# KiCad board UNI_i4.kicad_pcb
title: zensai65_UNI_i4; rev: v2; company: shoonie
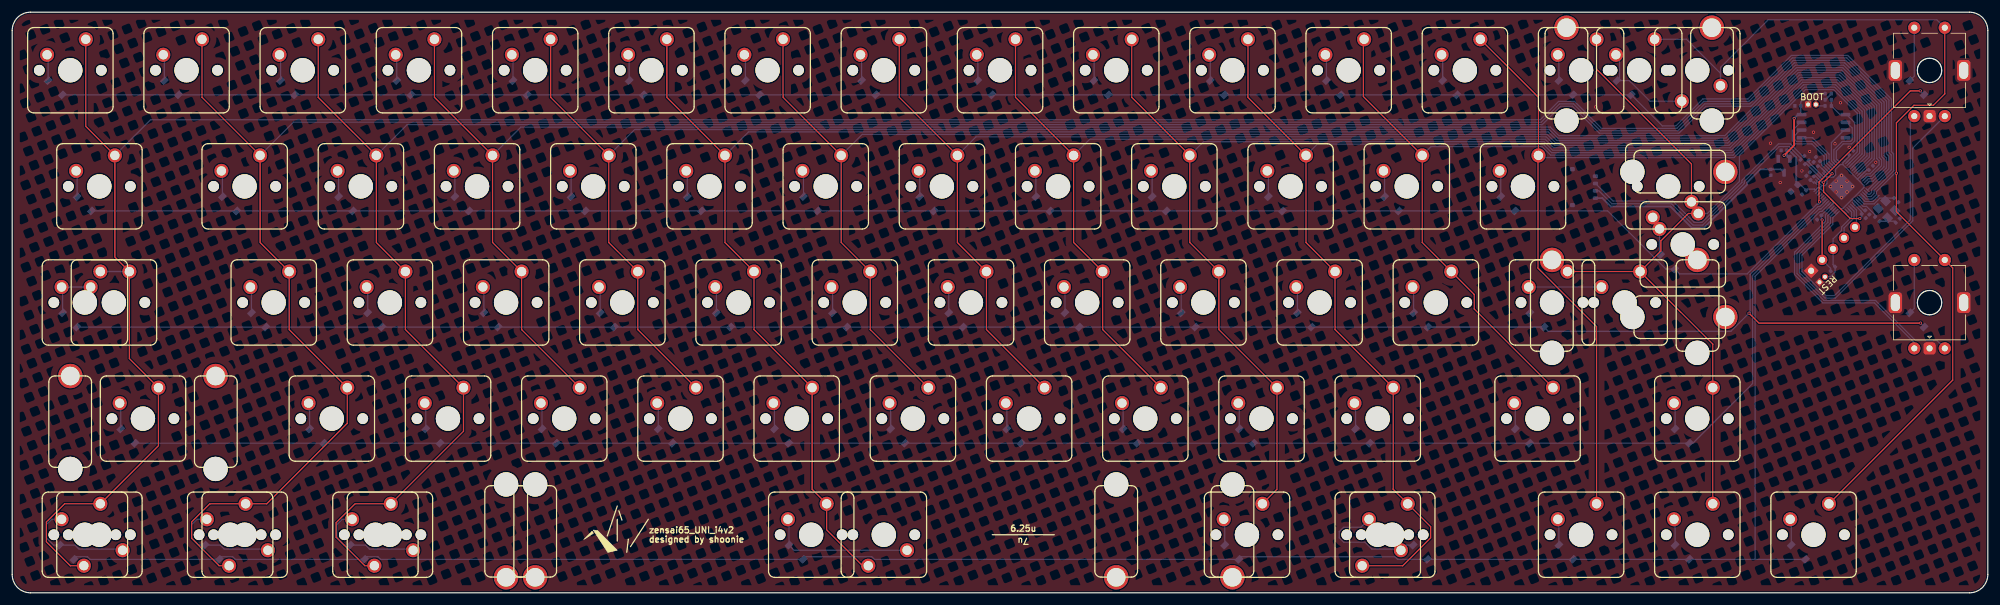
[diagram p0: board, top side]
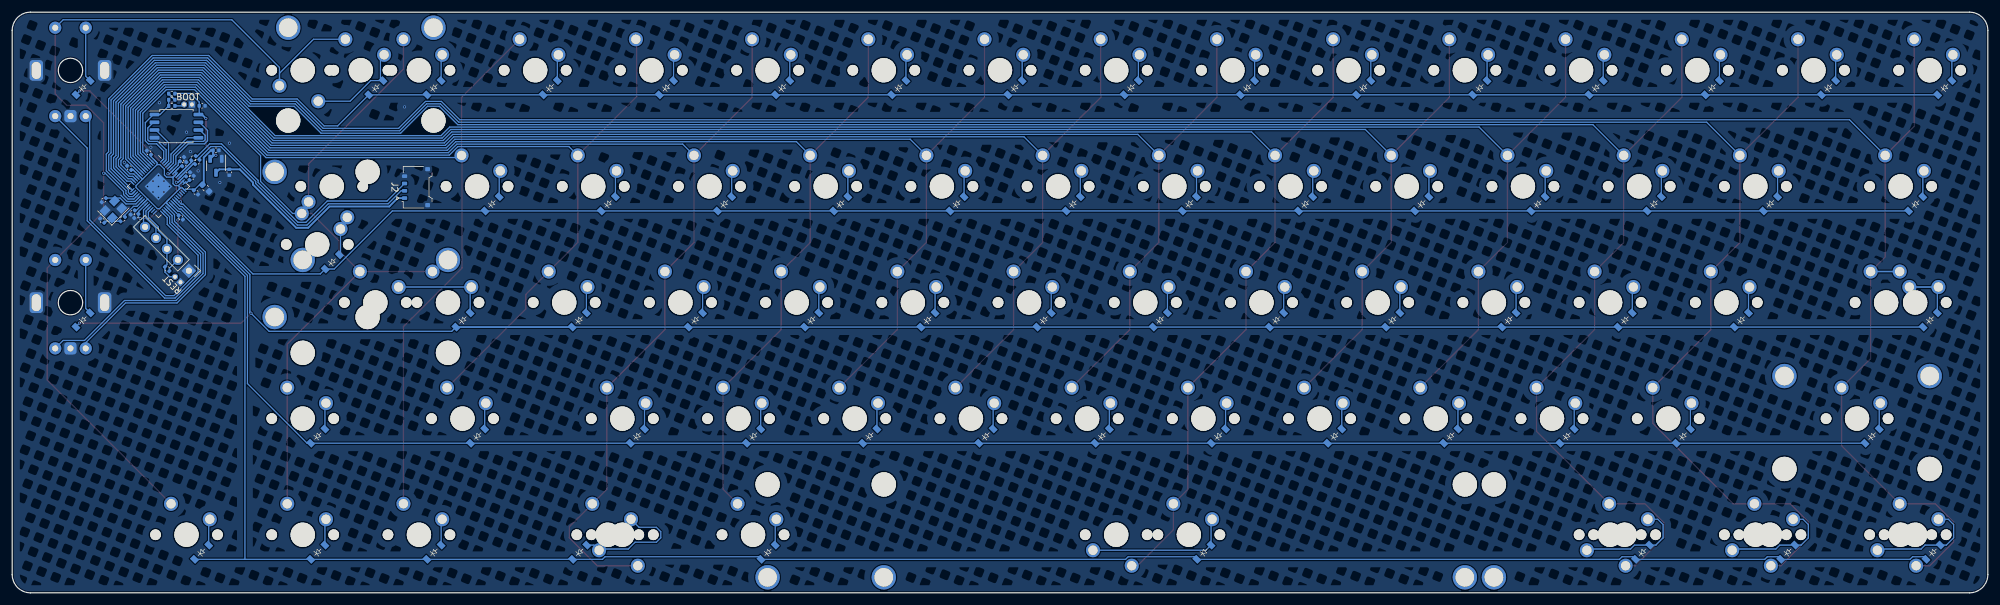
[diagram p1: board, bottom side, seen from below]

Outline 323.85 x 95.25 mm; copper layers: Top, Bottom. Coordinates in mm from the lower left corner of the outline.
Outline path: circle c314.3,85.7 r2 ; circle c314.3,47.6 r2 ; 0,92.25 0,3 arc(0.88,0.88) 3,0 320.85,0 arc(322.97,0.88) 323.85,3 323.85,92.25 arc(322.97,94.37) 320.85,95.25 3,95.25 arc(0.88,94.37) 0,92.25
Stack: Top 0.035mm / dielectric 1.51mm FR4 er 4.5 / Bottom 0.035mm

## Placement (name value [footprint] x y rotation side)
C1  1u  [C_0402_1005Metric]  288.26 68.99 270 bottom
C2  1u  [C_0402_1005Metric]  290.45 72.59 180 bottom
C3  10u  [C_0603_1608Metric]  292.13 66.4 225 bottom
C4  1u  [C_0402_1005Metric]  295.02 68.66 135 bottom
C5  100n  [C_0402_1005Metric]  296.01 71.15 135 bottom
C6  1u  [C_0402_1005Metric]  293.73 65.68 225 bottom
C7  100n  [C_0402_1005Metric]  294.44 68.07 135 bottom
C8  100n  [C_0402_1005Metric]  295.66 70.33 135 bottom
C9  100n  [C_0402_1005Metric]  296.21 61.57 225 bottom
C10  22p  [C_0402_1005Metric]  308.84 64.41 135 bottom
C11  22p  [C_0402_1005Metric]  309.09 61.06 225 bottom
C12  1u  [C_0402_1005Metric]  292.71 79.88 180 bottom
C13  100n  [C_0402_1005Metric]  303.51 61.81 315 bottom
C14  100n  [C_0402_1005Metric]  304.1 62.4 315 bottom
C15  100n  [C_0402_1005Metric]  301.45 72.21 45 bottom
C16  100n  [C_0402_1005Metric]  304.67 69.72 45 bottom
D1  D_Small  [D_SOD-123_CLEAN]  6.99 82.93 315 bottom
D2  D_Small  [D_SOD-123_CLEAN]  26.04 82.93 315 bottom
D3  D_Small  [D_SOD-123_CLEAN]  45.09 82.93 315 bottom
D4  D_Small  [D_SOD-123_CLEAN]  64.14 82.93 315 bottom
D5  D_Small  [D_SOD-123_CLEAN]  83.19 82.93 315 bottom
D6  D_Small  [D_SOD-123_CLEAN]  102.24 82.93 315 bottom
D7  D_Small  [D_SOD-123_CLEAN]  121.29 82.93 315 bottom
D8  D_Small  [D_SOD-123_CLEAN]  140.34 82.93 315 bottom
D9  D_Small  [D_SOD-123_CLEAN]  159.39 82.93 315 bottom
D10  D_Small  [D_SOD-123_CLEAN]  178.44 82.93 315 bottom
D11  D_Small  [D_SOD-123_CLEAN]  197.49 82.93 315 bottom
D12  D_Small  [D_SOD-123_CLEAN]  216.54 82.93 315 bottom
D13  D_Small  [D_SOD-123_CLEAN]  235.59 82.93 315 bottom
D14  D_Small  [D_SOD-123_CLEAN]  254.64 82.93 315 bottom
D15  D_Small  [D_SOD-123_CLEAN]  264.16 82.93 315 bottom
D17  D_Small  [D_SOD-123_CLEAN]  11.75 63.88 315 bottom
D18  D_Small  [D_SOD-123_CLEAN]  35.56 63.88 315 bottom
D19  D_Small  [D_SOD-123_CLEAN]  54.61 63.88 315 bottom
D20  D_Small  [D_SOD-123_CLEAN]  73.66 63.88 315 bottom
D21  D_Small  [D_SOD-123_CLEAN]  92.71 63.88 315 bottom
D22  D_Small  [D_SOD-123_CLEAN]  111.76 63.88 315 bottom
D23  D_Small  [D_SOD-123_CLEAN]  130.81 63.88 315 bottom
D24  D_Small  [D_SOD-123_CLEAN]  149.86 63.88 315 bottom
D25  D_Small  [D_SOD-123_CLEAN]  168.91 63.88 315 bottom
D26  D_Small  [D_SOD-123_CLEAN]  187.96 63.88 315 bottom
D27  D_Small  [D_SOD-123_CLEAN]  207.01 63.88 315 bottom
D28  D_Small  [D_SOD-123_CLEAN]  226.06 63.88 315 bottom
D29  D_Small  [D_SOD-123_CLEAN]  245.11 63.88 315 bottom
D31  D_Small  [D_SOD-123_CLEAN]  271.3 54.36 315 bottom
D32  D_Small  [D_SOD-123_CLEAN]  312.17 82.93 315 bottom
D33  D_Small  [D_SOD-123_CLEAN]  9.37 44.83 315 bottom
D35  D_Small  [D_SOD-123_CLEAN]  40.32 44.83 315 bottom
D36  D_Small  [D_SOD-123_CLEAN]  59.37 44.83 315 bottom
D37  D_Small  [D_SOD-123_CLEAN]  78.42 44.83 315 bottom
D38  D_Small  [D_SOD-123_CLEAN]  97.47 44.83 315 bottom
D39  D_Small  [D_SOD-123_CLEAN]  116.52 44.83 315 bottom
D40  D_Small  [D_SOD-123_CLEAN]  135.57 44.83 315 bottom
D41  D_Small  [D_SOD-123_CLEAN]  154.62 44.83 315 bottom
D42  D_Small  [D_SOD-123_CLEAN]  173.67 44.83 315 bottom
D43  D_Small  [D_SOD-123_CLEAN]  192.72 44.83 315 bottom
D44  D_Small  [D_SOD-123_CLEAN]  211.77 44.83 315 bottom
D45  D_Small  [D_SOD-123_CLEAN]  230.82 44.83 315 bottom
D46  D_Small  [D_SOD-123_CLEAN]  249.87 44.83 315 bottom
D48  D_Small  [D_SOD-123_CLEAN]  312.17 44.83 315 bottom
D49  D_Small  [D_SOD-123_CLEAN]  18.89 25.78 315 bottom
D50  D_Small  [D_SOD-123_CLEAN]  49.85 25.78 315 bottom
D51  D_Small  [D_SOD-123_CLEAN]  68.9 25.78 315 bottom
D52  D_Small  [D_SOD-123_CLEAN]  87.95 25.78 315 bottom
D53  D_Small  [D_SOD-123_CLEAN]  107 25.78 315 bottom
D54  D_Small  [D_SOD-123_CLEAN]  126.05 25.78 315 bottom
D55  D_Small  [D_SOD-123_CLEAN]  145.1 25.78 315 bottom
D56  D_Small  [D_SOD-123_CLEAN]  164.15 25.78 315 bottom
D57  D_Small  [D_SOD-123_CLEAN]  183.2 25.78 315 bottom
D58  D_Small  [D_SOD-123_CLEAN]  202.25 25.78 315 bottom
D59  D_Small  [D_SOD-123_CLEAN]  221.3 25.78 315 bottom
D60  D_Small  [D_SOD-123_CLEAN]  247.49 25.78 315 bottom
D61  D_Small  [D_SOD-123_CLEAN]  273.69 25.78 315 bottom
D62  D_Small  [D_SOD-123_CLEAN]  8.89 6.73 315 bottom
D64  D_Small  [D_SOD-123_CLEAN]  32.7 6.73 315 bottom
D66  D_Small  [D_SOD-123_CLEAN]  56.52 6.73 315 bottom
D68  D_Small  [D_SOD-123_CLEAN]  128.43 6.73 315 bottom
D70  D_Small  [D_SOD-123_CLEAN]  199.87 6.73 315 bottom
D72  D_Small  [D_SOD-123_CLEAN]  230.76 6.73 315 bottom
D73  D_Small  [D_SOD-123_CLEAN]  254.64 6.73 315 bottom
D74  D_Small  [D_SOD-123_CLEAN]  273.69 6.73 315 bottom
D75  D_Small  [D_SOD-123_CLEAN]  292.74 6.73 315 bottom
J2  Conn_01x04  [Molex_Pico-EZmate_78171-0004_1x04-1MP_P1.20mm_Vertical]  257.66 66.55 90 bottom
J3  Conn_01x05  [PinHeader_1x05_P2.54mm_Vertical]  294.89 52.83 315 bottom
R3  5.1k  [R_0402_1005Metric]  298.45 53.14 225 bottom
R4  27  [R_0402_1005Metric]  294.13 71.3 315 bottom
R5  27  [R_0402_1005Metric]  293.52 70.69 315 bottom
R6  1k  [R_0402_1005Metric]  305.74 61.32 135 bottom
R7  1k  [R_0402_1005Metric]  297.69 79.88 0 bottom
R8  5.1k  [R_0402_1005Metric]  297.69 80.88 180 bottom
R9  5.1k  [R_0402_1005Metric]  297.69 81.89 180 bottom
REF**  -  [info]  104.27 9.53 0 top
REF**#2  -  [bottom_row_guide]  165.74 9.53 0 top
S15  MX_stab  [STAB_MX_P_2u]  266.7 85.72 0 top
S31  MX_stab  [STAB_MX_P_2u]  273.84 57.15 270 top
S47  MX_stab  [STAB_MX_P_2u]  264.32 47.62 0 top
S49  MX_stab  [STAB_MX_P_2u]  21.43 28.58 0 top
S68  MX_stab  [STAB_MX_P_6.25u]  130.97 9.53 180 top
S69  MX_stab  [STAB_MX_P_7u]  142.88 9.53 180 top
SW1  MX_SW_solder  [SW_MX_1u]  9.53 85.72 0 top
SW2  MX_SW_solder  [SW_MX_1u]  28.58 85.72 0 top
SW3  MX_SW_solder  [SW_MX_1u]  47.63 85.72 0 top
SW4  MX_SW_solder  [SW_MX_1u]  66.68 85.72 0 top
SW5  MX_SW_solder  [SW_MX_1u]  85.73 85.72 0 top
SW6  MX_SW_solder  [SW_MX_1u]  104.78 85.72 0 top
SW7  MX_SW_solder  [SW_MX_1u]  123.83 85.72 0 top
SW8  MX_SW_solder  [SW_MX_1u]  142.88 85.72 0 top
SW9  MX_SW_solder  [SW_MX_1u]  161.93 85.72 0 top
SW10  MX_SW_solder  [SW_MX_1u]  180.98 85.72 0 top
SW11  MX_SW_solder  [SW_MX_1u]  200.03 85.72 0 top
SW12  MX_SW_solder  [SW_MX_1u]  219.08 85.72 0 top
SW13  MX_SW_solder  [SW_MX_1u]  238.13 85.72 0 top
SW14  MX_SW_solder  [SW_MX_1u]  257.18 85.72 0 top
SW15  MX_SW_solder  [SW_MX_1u]  266.7 85.72 0 top
SW16  MX_SW_solder  [SW_MX_1u]  276.23 85.72 180 top
SW17  MX_SW_solder  [SW_MX_1u]  14.29 66.67 0 top
SW18  MX_SW_solder  [SW_MX_1u]  38.1 66.67 0 top
SW19  MX_SW_solder  [SW_MX_1u]  57.15 66.67 0 top
SW20  MX_SW_solder  [SW_MX_1u]  76.2 66.67 0 top
SW21  MX_SW_solder  [SW_MX_1u]  95.25 66.67 0 top
SW22  MX_SW_solder  [SW_MX_1u]  114.3 66.67 0 top
SW23  MX_SW_solder  [SW_MX_1u]  133.35 66.67 0 top
SW24  MX_SW_solder  [SW_MX_1u]  152.4 66.67 0 top
SW25  MX_SW_solder  [SW_MX_1u]  171.45 66.67 0 top
SW26  MX_SW_solder  [SW_MX_1u]  190.5 66.67 0 top
SW27  MX_SW_solder  [SW_MX_1u]  209.55 66.67 0 top
SW28  MX_SW_solder  [SW_MX_1u]  228.6 66.67 0 top
SW29  MX_SW_solder  [SW_MX_1u]  247.65 66.67 0 top
SW30  MX_SW_solder  [SW_MX_1u]  271.46 66.67 180 top
SW31  MX_SW_solder  [SW_MX_1u]  273.84 57.15 0 top
SW32  RotaryEncoder_Switch  [ROT_Alps_EC11E-Switch]  314.3 85.7 0 top
SW33  MX_SW_solder  [SW_MX_1u]  11.91 47.62 0 top
SW34  MX_SW_solder  [SW_MX_1u]  16.67 47.62 0 top
SW35  MX_SW_solder  [SW_MX_1u]  42.86 47.62 0 top
SW36  MX_SW_solder  [SW_MX_1u]  61.91 47.62 0 top
SW37  MX_SW_solder  [SW_MX_1u]  80.96 47.62 0 top
SW38  MX_SW_solder  [SW_MX_1u]  100.01 47.62 0 top
SW39  MX_SW_solder  [SW_MX_1u]  119.06 47.62 0 top
SW40  MX_SW_solder  [SW_MX_1u]  138.11 47.62 0 top
SW41  MX_SW_solder  [SW_MX_1u]  157.16 47.62 0 top
SW42  MX_SW_solder  [SW_MX_1u]  176.21 47.62 0 top
SW43  MX_SW_solder  [SW_MX_1u]  195.26 47.62 0 top
SW44  MX_SW_solder  [SW_MX_1u]  214.31 47.62 0 top
SW45  MX_SW_solder  [SW_MX_1u]  233.36 47.62 0 top
SW46  MX_SW_solder  [SW_MX_1u]  252.41 47.62 0 top
SW47  MX_SW_solder  [SW_MX_1u]  264.32 47.62 0 top
SW48  RotaryEncoder_Switch  [ROT_Alps_EC11E-Switch]  314.3 47.6 0 top
SW49  MX_SW_solder  [SW_MX_1u]  21.43 28.58 0 top
SW50  MX_SW_solder  [SW_MX_1u]  52.39 28.58 0 top
SW51  MX_SW_solder  [SW_MX_1u]  71.44 28.58 0 top
SW52  MX_SW_solder  [SW_MX_1u]  90.49 28.58 0 top
SW53  MX_SW_solder  [SW_MX_1u]  109.54 28.58 0 top
SW54  MX_SW_solder  [SW_MX_1u]  128.59 28.58 0 top
SW55  MX_SW_solder  [SW_MX_1u]  147.64 28.58 0 top
SW56  MX_SW_solder  [SW_MX_1u]  166.69 28.58 0 top
SW57  MX_SW_solder  [SW_MX_1u]  185.74 28.58 0 top
SW58  MX_SW_solder  [SW_MX_1u]  204.79 28.58 0 top
SW59  MX_SW_solder  [SW_MX_1u]  223.84 28.58 0 top
SW60  MX_SW_solder  [SW_MX_1u]  250.03 28.58 0 top
SW61  MX_SW_solder  [SW_MX_1u]  276.23 28.58 0 top
SW62  MX_SW_solder  [SW_MX_1u]  11.91 9.53 0 top
SW63  MX_SW_solder  [SW_MX_1u]  14.29 9.53 180 top
SW64  MX_SW_solder  [SW_MX_1u]  35.72 9.53 0 top
SW65  MX_SW_solder  [SW_MX_1u]  38.1 9.53 180 top
SW66  MX_SW_solder  [SW_MX_1u]  59.53 9.53 0 top
SW67  MX_SW_solder  [SW_MX_1u]  61.91 9.53 180 top
SW68  MX_SW_solder  [SW_MX_1u]  130.97 9.53 0 top
SW69  MX_SW_solder  [SW_MX_1u]  142.88 9.53 180 top
SW70  MX_SW_solder  [SW_MX_1u]  202.41 9.53 0 top
SW71  MX_SW_solder  [SW_MX_1u]  223.84 9.53 180 top
SW72  MX_SW_solder  [SW_MX_1u]  226.22 9.53 0 top
SW73  MX_SW_solder  [SW_MX_1u]  257.18 9.53 0 top
SW74  MX_SW_solder  [SW_MX_1u]  276.23 9.53 0 top
SW75  MX_SW_solder  [SW_MX_1u]  295.28 9.53 0 top
SW76  SW_RESET  [PinHeader_1x02_P1.27mm_Vertical]  296.26 50.95 315 bottom
SW77  SW_BOOTSEL  [PinHeader_1x02_P1.27mm_Vertical]  294.4 80.11 270 bottom
U1  RP2040  [QFN-56-1EP_7x7mm_P0.4mm_EP3.2x3.2mm]  299.87 66.65 225 bottom
U2  XC6206PxxxMR  [SOT-23-3]  290.45 70.05 270 bottom
U4  W25Q128JVS  [SOIC-8_5.23x5.23mm_P1.27mm]  296.93 76.56 180 bottom
Y1  Crystal_GND24  [Crystal_SMD_3225-4Pin_3.2x2.5mm]  307.26 62.89 135 bottom

## Library data of the parts
C1-C16 = -: Description: Unpolarized capacitor, small symbol
D1-D15 D17-D29 D31-D33 D35-D46 D48-D62 D64 D66 D68 D70 D72-D75 = -: Description: Diode, small symbol; Sim.Device: D; Sim.Pins: 1=K 2=A
J2 = -: Description: Generic connector, single row, 01x04, script generated (kicad-library-utils/schlib/autogen/connector/)
J3 = -: Description: Generic connector, single row, 01x05, script generated (kicad-library-utils/schlib/autogen/connector/)
R3-R9 = -: Description: Resistor, small symbol
S15 S31 S47 S49 S68 S69 = -: Description: Cherry MX-style stabilizer
SW1-SW31 SW33-SW47 SW49-SW75 = -: Description: Push button switch, normally open, two pins, 45° tilted
SW32 SW48 = -: Description: Rotary encoder, dual channel, incremental quadrate outputs, with switch
SW76 SW77 = -: Description: Push button switch, generic, two pins
U1 = -: Description: A microcontroller by Raspberry Pi
U2 = -: Description: Positive 60-250mA Low Dropout Regulator, Fixed Output, SOT-23
U4 = -: Description: 128Mb Serial Flash Memory, Standard/Dual/Quad SPI, SOIC-8
Y1 = -: Description: Four pin crystal, GND on pins 2 and 4

## Footprints (pads in the part's own frame, mm; a bottom-side part is the same pattern mirrored in y, then rotated)
C_0402_1005Metric
  rrect 0.56x0.62 smd: 1(-0.48,0) 2(0.48,0)
C_0603_1608Metric
  rrect 0.9x0.95 smd: 1(-0.775,0) 2(0.775,0)
Crystal_SMD_3225-4Pin_3.2x2.5mm
  rect 1.4x1.2 smd: 1(-1.1,-0.85) 2(1.1,-0.85) 3(1.1,0.85) 4(-1.1,0.85)
D_SOD-123_CLEAN
  rect 0.9x1.2 smd: 1(1.75,0) 2(-1.55,0)
Molex_Pico-EZmate_78171-0004_1x04-1MP_P1.20mm_Vertical
  rrect 0.6x0.85 smd: 1(-1.8,1.875) 2(-0.6,1.875) 3(0.6,1.875) 4(1.8,1.875)
  rrect 0.7x0.8 smd: 4(-2.95,-1.9) 4(2.95,-1.9)
PinHeader_1x02_P1.27mm_Vertical
  rect 1x1 hole 0.65: 1(0,0)
  oval 1x1 hole 0.65: 2(0,-1.27)
PinHeader_1x05_P2.54mm_Vertical
  rect 1.7x1.7 hole 1: 1(0,0)
  oval 1.7x1.7 hole 1: 2(0,-2.54) 3(0,-5.08) 4(0,-7.62) 5(0,-10.16)
QFN-56-1EP_7x7mm_P0.4mm_EP3.2x3.2mm
  rrect 1.29x1.29 smd: (-0.8,-0.8) (-0.8,0.8) (0.8,-0.8) (0.8,0.8)
  rrect 0.875x0.2 smd: 1(-3.438,2.6) 2(-3.438,2.2) 3(-3.438,1.8) 4(-3.438,1.4) 5(-3.438,1) 6(-3.438,0.6) 7(-3.438,0.2) 8(-3.438,-0.2) 9(-3.438,-0.6) 10(-3.438,-1) 11(-3.438,-1.4) 12(-3.438,-1.8) 13(-3.438,-2.2) 14(-3.438,-2.6) 29(3.438,-2.6) 30(3.438,-2.2) 31(3.438,-1.8) 32(3.438,-1.4) 33(3.438,-1) 34(3.438,-0.6) 35(3.438,-0.2) 36(3.438,0.2) 37(3.438,0.6) 38(3.438,1) 39(3.438,1.4) 40(3.438,1.8) 41(3.438,2.2) 42(3.438,2.6)
  rrect 0.2x0.875 smd: 15(-2.6,-3.438) 16(-2.2,-3.438) 17(-1.8,-3.438) 18(-1.4,-3.438) 19(-1,-3.438) 20(-0.6,-3.438) 21(-0.2,-3.438) 22(0.2,-3.438) 23(0.6,-3.438) 24(1,-3.438) 25(1.4,-3.438) 26(1.8,-3.438) 27(2.2,-3.438) 28(2.6,-3.438) 43(2.6,3.438) 44(2.2,3.438) 45(1.8,3.438) 46(1.4,3.438) 47(1,3.438) 48(0.6,3.438) 49(0.2,3.438) 50(-0.2,3.438) 51(-0.6,3.438) 52(-1,3.438) 53(-1.4,3.438) 54(-1.8,3.438) 55(-2.2,3.438) 56(-2.6,3.438)
  rect 3.2x3.2 smd: 57(0,0)
R_0402_1005Metric
  rrect 0.54x0.64 smd: 1(-0.51,0) 2(0.51,0)
ROT_Alps_EC11E-Switch
  round 2 hole 1: A(-2.5,-7.5) B(2.5,-7.5) S1(2.5,7) S2(-2.5,7)
  rrect 2x2 hole 1: C(0,-7.5)
  rrect 2.2x3.4 hole 1.5x2.8: MP(-5.6,0) MP(5.6,0)
SOIC-8_5.23x5.23mm_P1.27mm
  rrect 1.6x0.6 smd: 1(-3.6,1.905) 2(-3.6,0.635) 3(-3.6,-0.635) 4(-3.6,-1.905) 5(3.6,-1.905) 6(3.6,-0.635) 7(3.6,0.635) 8(3.6,1.905)
SOT-23-3
  rrect 1.325x0.6 smd: 1(-1.137,0.95) 2(-1.137,-0.95) 3(1.137,0)
STAB_MX_P_2u
  round 4 hole 3.048: (-11.906,6.985) (11.906,6.985)
  round 3.988 hole 3.988 unplated: (-11.906,-8.255) (11.906,-8.255)
STAB_MX_P_6.25u
  round 4 hole 3.048: (-50.006,6.985) (50.006,6.985)
  round 3.988 hole 3.988 unplated: (-50.006,-8.255) (50.006,-8.255)
STAB_MX_P_7u
  round 4 hole 3.048: (-57.15,6.985) (57.15,6.985)
  round 3.988 hole 3.988 unplated: (-57.15,-8.255) (57.15,-8.255)
SW_MX_1u
  round 1.75 hole 1.75 unplated: (-5.08,0) (5.08,0)
  round 3.988 hole 3.988 unplated: (0,0)
  round 2.3 hole 1.524: 1(-3.81,2.54) 2(2.54,5.08)

## Nets
+1V1: C4.1 C5.1 C13.1 U1.23 U1.45 U1.50
+3V3: C2.1 C3.1 C6.1 C7.1 C8.1 C9.1 C12.1 C14.1 C15.1 C16.1 J3.2 R3.2 R9.2 U1.1 U1.10 U1.22 U1.33 U1.42 U1.43 U1.44 U1.48 U1.49 U2.2 U4.8
+5V: C1.1 J2.1 U2.3
GND: C1.2 C2.2 C3.2 C4.2 C5.2 C6.2 C7.2 C8.2 C9.2 C10.1 C11.1 C12.2 C13.2 C14.2 C15.2 C16.2 J2.4 J3.1 SW32.C SW32.MP SW48.C SW48.MP SW76.1 SW77.1 U1.19 U1.57 U2.1 U4.4 Y1.2 Y1.4
COL0: SW1.2 SW17.2 SW33.2 SW34.2 SW49.2 SW62.2 SW63.2 U1.16
COL1: SW2.2 SW18.2 SW35.2 SW50.2 SW64.2 SW65.2 U1.15
COL2: SW3.2 SW19.2 SW36.2 SW51.2 SW66.2 SW67.2 U1.14
COL3: SW4.2 SW20.2 SW37.2 SW52.2 U1.13
COL4: SW5.2 SW21.2 SW38.2 SW53.2 U1.12
COL5: SW6.2 SW22.2 SW39.2 SW54.2 SW68.2 SW69.2 U1.11
COL6: SW7.2 SW23.2 SW40.2 SW55.2 U1.9
COL7: SW8.2 SW24.2 SW41.2 SW56.2 U1.8
COL8: SW9.2 SW25.2 SW42.2 SW57.2 U1.7
COL9: SW10.2 SW26.2 SW43.2 SW58.2 SW70.2 U1.6
COL10: SW11.2 SW27.2 SW44.2 SW59.2 SW71.2 SW72.2 U1.5
COL11: SW12.2 SW28.2 SW45.2 SW60.2 U1.4
COL12: SW13.2 SW29.2 SW73.2 U1.3
COL13: SW14.2 SW30.1 SW31.2 SW46.2 SW47.2 SW61.2 SW74.2 U1.2
COL14: SW15.2 SW16.1 SW32.S1 SW48.S1 SW75.2 U1.18
D+: J2.3 R4.1
D-: J2.2 R5.1
QSPI_SCLK: U1.52 U4.6
QSPI_SD0: U1.53 U4.5
QSPI_SD1: U1.55 U4.2
QSPI_SD2: U1.54 U4.3
QSPI_SD3: U1.51 U4.7
QSPI_SS: R7.2 R8.1 U1.56 U4.1
RESET: J3.3 R3.1 SW76.2 U1.26
ROW0: D1.1 D2.1 D3.1 D4.1 D5.1 D6.1 D7.1 D8.1 D9.1 D10.1 D11.1 D12.1 D13.1 D14.1 D15.1 U1.17
ROW1: D17.1 D18.1 D19.1 D20.1 D21.1 D22.1 D23.1 D24.1 D25.1 D26.1 D27.1 D28.1 D29.1 D31.1 D32.1 U1.37
ROW2: D33.1 D35.1 D36.1 D37.1 D38.1 D39.1 D40.1 D41.1 D42.1 D43.1 D44.1 D45.1 D46.1 D48.1 U1.36
ROW3: D49.1 D50.1 D51.1 D52.1 D53.1 D54.1 D55.1 D56.1 D57.1 D58.1 D59.1 D60.1 D61.1 U1.35
ROW4: D62.1 D64.1 D66.1 D68.1 D70.1 D72.1 D73.1 D74.1 D75.1 U1.34
SW32A: SW32.A U1.29
SW32B: SW32.B U1.30
SW48A: SW48.A U1.32
SW48B: SW48.B U1.31
SWCLK: J3.5 U1.24
SWD: J3.4 U1.25
XIN: C10.2 U1.20 Y1.3
XOUT: R6.2 U1.21
Net-(C11-Pad2): C11.2 R6.1 Y1.1
Net-(D1-A): D1.2 SW1.1
Net-(D2-A): D2.2 SW2.1
Net-(D3-A): D3.2 SW3.1
Net-(D4-A): D4.2 SW4.1
Net-(D5-A): D5.2 SW5.1
Net-(D6-A): D6.2 SW6.1
Net-(D7-A): D7.2 SW7.1
Net-(D8-A): D8.2 SW8.1
Net-(D9-A): D9.2 SW9.1
Net-(D10-A): D10.2 SW10.1
Net-(D11-A): D11.2 SW11.1
Net-(D12-A): D12.2 SW12.1
Net-(D13-A): D13.2 SW13.1
Net-(D14-A): D14.2 SW14.1
Net-(D15-A): D15.2 SW15.1 SW16.2
Net-(D17-A): D17.2 SW17.1
Net-(D18-A): D18.2 SW18.1
Net-(D19-A): D19.2 SW19.1
Net-(D20-A): D20.2 SW20.1
Net-(D21-A): D21.2 SW21.1
Net-(D22-A): D22.2 SW22.1
Net-(D23-A): D23.2 SW23.1
Net-(D24-A): D24.2 SW24.1
Net-(D25-A): D25.2 SW25.1
Net-(D26-A): D26.2 SW26.1
Net-(D27-A): D27.2 SW27.1
Net-(D28-A): D28.2 SW28.1
Net-(D29-A): D29.2 SW29.1
Net-(D30-A): D31.2 SW30.2 SW31.1
Net-(D32-A): D32.2 SW32.S2
Net-(D33-A): D33.2 SW33.1 SW34.1
Net-(D35-A): D35.2 SW35.1
Net-(D36-A): D36.2 SW36.1
Net-(D37-A): D37.2 SW37.1
Net-(D38-A): D38.2 SW38.1
Net-(D39-A): D39.2 SW39.1
Net-(D40-A): D40.2 SW40.1
Net-(D41-A): D41.2 SW41.1
Net-(D42-A): D42.2 SW42.1
Net-(D43-A): D43.2 SW43.1
Net-(D44-A): D44.2 SW44.1
Net-(D45-A): D45.2 SW45.1
Net-(D46-A): D46.2 SW46.1 SW47.1
Net-(D48-A): D48.2 SW48.S2
Net-(D49-A): D49.2 SW49.1
Net-(D50-A): D50.2 SW50.1
Net-(D51-A): D51.2 SW51.1
Net-(D52-A): D52.2 SW52.1
Net-(D53-A): D53.2 SW53.1
Net-(D54-A): D54.2 SW54.1
Net-(D55-A): D55.2 SW55.1
Net-(D56-A): D56.2 SW56.1
Net-(D57-A): D57.2 SW57.1
Net-(D58-A): D58.2 SW58.1
Net-(D59-A): D59.2 SW59.1
Net-(D60-A): D60.2 SW60.1
Net-(D61-A): D61.2 SW61.1
Net-(D62-A): D62.2 SW62.1 SW63.1
Net-(D64-A): D64.2 SW64.1 SW65.1
Net-(D66-A): D66.2 SW66.1 SW67.1
Net-(D68-A): D68.2 SW68.1 SW69.1
Net-(D70-A): D70.2 SW70.1
Net-(D71-A): D72.2 SW71.1 SW72.1
Net-(D73-A): D73.2 SW73.1
Net-(D74-A): D74.2 SW74.1
Net-(D75-A): D75.2 SW75.1
Net-(R7-Pad1): R7.1 SW77.2
Net-(R8-Pad2): R8.2 R9.1
Net-(U1-USB_DM): R5.2 U1.46
Net-(U1-USB_DP): R4.2 U1.47

Pads without a net: U1 27 28 38 39 40 41

## Via types
v1: diameter 0.5, hole 0.3, Top to Bottom, 30 vias

## Routing (per net, layer and track width the routed paths; a pad name or vN(x,y) marks a point on that pad's centre or on a via; arc(x,y) is an arc through that point)
+1V1: length 19.3
  Top w0.2: v1(302.87,61.4) 301.31,61.4 296.94,65.78 v1(296.94,67.35) 296.94,67.36 v1(298.33,68.75)
  Bottom w0.2: v1(302.87,61.4) 303.17,61.7 C13.1 ; v1(296.94,67.35) 296.63,67.35 U1.45 295.66,68.32 C4.1 ; U1.23 303.1,62.57 303.1,62.23 ; v1(298.33,68.75) 298.06,68.75 U1.50 296.62,70.18 296.62,70.54 C5.1
+3V3: length 78.3
  Top w0.2: J3.2 296.69,61.16 v1(296.69,61.17)
  Top w0.3: v1(290.46,71.77) 292.11,73.42 v1(292.11,77.83)
  Bottom w0.2: R3.2 298.09,53.22 J3.2 ; 301.65,64.61 303.56,66.51 303.56,66.78 302.48,67.86 ; 301.65,64.61 300.06,63.02 299.69,63.02 298.18,64.52 ; 301.65,64.61 301.65,64.59 U1.22 303.5,62.74 C14.1 ; 302.48,67.86 300.09,70.25 ; 302.48,67.86 302.5,67.86 U1.10 303.44,68.8 ; 300.09,70.25 300.09,70.54 U1.1 301.11,71.56 C15.1 ; 300.09,70.25 299.66,70.25 298.9,69.5 298.9,68.55 298.55,68.2 297.48,68.2 U1.48 ; 298.53,63.89 298.53,64.18 298.18,64.52 ; 298.53,63.89 U1.33 ; 298.53,63.89 U1.33 ; 296.55,61.92 U1.33 ; U1.48 297.02,69.22 296.66,69.58 ; U1.48 297.49,68.19 297.49,67.12 297.16,66.8 296.61,66.8 296.61,66.8 ; C16.1 304.02,69.38 303.44,68.8 ; C3.1 293.15,66.94 C6.1 294.27,66.23 295.44,66.23 U1.42 295.98,66.43 296.27,66.43 296.48,66.23 ; 298.18,64.52 296.48,66.23 ; C9.1 296.55,61.3 v1(296.69,61.17) ; 296.61,66.8 296.48,66.67 296.48,66.23 ; 296.61,66.8 U1.44 U1.43 295.27,67.24 C7.1 ; 303.44,68.8 304,69.36 304.31,69.36 ; 296.66,69.58 U1.49 ; 296.66,69.58 296.25,69.99 ; 293.19,78.6 C12.1 293.19,80.5 294.61,81.93 297.28,81.93
  Bottom w0.3: v1(292.11,77.83) 292.74,78.46 ; 292.45,67.17 292.45,71.42 291.27,72.59 290.93,72.59 290.93,71.66 U2.2 290.82,71.77 v1(290.46,71.77)
+5V: length 37.3
  Bottom w0.3: U2.3 289.9,69.47 C1.1 286.55,69.47 284.39,67.31 284.39,66.97 277.3,59.88 275.33,59.88 271.84,63.37 262.04,63.37 260.66,64.75 J2.1
GND: length 3.7
  Bottom w0.2: U1.19 303.74,64.2 305.02,64.2 306.01,65.18 306,65.19
  vias: v1(259.54,79.71) v1(288.24,73.76) v1(289.81,67.31) v1(293.37,69.22) v1(294.64,72.39) v1(295.28,75.56) v1(298.08,66.65) v1(298.81,73.66) v1(298.97,67.55) v1(298.97,65.75) v1(299.72,80.39) v1(299.87,68.45) v1(299.87,66.65) v1(299.87,64.85) v1(300.77,67.55) v1(300.77,65.75) v1(301.12,73.1) v1(301.67,66.65) v1(305.48,70.63)
COL0: length 432.8
  Top w0.2: 12.07,90.81 12.07,76.52 16.83,71.75 16.83,55.09 SW34.2 19.21,38.42 SW49.2 23.97,24.13 SW62.2 8.59,14.61 5.6,11.62 5.6,8.37 9.53,4.44 SW63.2
  Bottom w0.2: 16.83,71.75 22.68,77.61 250.48,77.61 253.49,80.61 256.1,80.61 260.51,76.2 272.88,76.2 277.3,80.61 284.67,80.61 291.81,87.75 300.73,87.75 307.65,80.84 307.65,72.19 308.03,71.8 308.03,69.39 304.8,66.16 304.8,65.67 304.53,65.4 304.24,65.4 U1.16
  Bottom w0.25: SW33.2 SW34.2
COL1: length 411.5
  Top w0.2: SW2.2 31.12,81.28 40.64,71.75 40.64,57.47 SW35.2 45.4,43.18 SW50.2 54.93,27.8 41.73,14.61 SW64.2 32.4,14.61 29.41,11.62 29.41,8.94 33.91,4.44 SW65.2
  Bottom w0.2: U1.15 304.14,66.07 307.63,69.55 307.63,71.62 307.25,72.01 307.25,80.67 300.57,87.35 291.98,87.35 284.84,80.21 277.46,80.21 273.05,75.8 260.34,75.8 255.93,80.21 253.66,80.21 250.65,77.2 46.09,77.2 40.64,71.75
COL2: length 386.7
  Top w0.2: SW67.2 57.8,4.44 53.09,9.16 53.09,11.48 56.21,14.61 SW66.2 73.98,26.51 SW51.2 64.45,43.18 SW36.2 59.69,57.47 59.69,71.75 50.17,81.28 SW3.2
  Bottom w0.2: 59.69,71.75 64.74,76.81 250.81,76.81 253.82,79.81 255.76,79.81 260.18,75.4 273.22,75.4 277.63,79.81 285.01,79.81 292.14,86.95 300.39,86.95 306.85,80.49 306.85,71.74 307.23,71.35 307.23,69.72 305.03,67.52 304.42,67.52 U1.14
COL3: length 319.1
  Top w0.2: SW52.2 83.5,43.18 SW37.2 78.74,57.47 78.74,71.75 69.22,81.28 SW4.2
  Bottom w0.2: 78.74,71.75 83.39,76.41 252.13,76.41 253.54,75 280.76,75 292.31,86.55 300.22,86.55 306.45,80.33 306.45,71.57 306.83,71.19 306.83,69.89 304.87,67.92 304.26,67.92 U1.13
COL4: length 298.9
  Top w0.2: SW53.2 102.55,43.18 SW38.2 97.79,57.47 97.79,71.75 88.27,81.28 SW5.2
  Bottom w0.2: U1.12 304.09,68.32 304.7,68.32 306.43,70.05 306.43,71.02 306.05,71.41 306.05,80.16 300.06,86.15 292.47,86.15 280.92,74.6 253.37,74.6 251.97,76 102.04,76 97.79,71.75
COL5: length 311.4
  Top w0.2: SW6.2 107.32,81.28 116.84,71.75 116.84,57.47 SW39.2 121.6,43.18 SW54.2 131.13,16.99 SW68.2 133.51,10.33 139.4,4.44
  Bottom w0.2: U1.11 303.93,68.72 304.54,68.72 306.03,70.22 306.03,70.86 305.65,71.24 305.65,79.99 299.89,85.75 292.64,85.75 281.09,74.2 253.21,74.2 251.8,75.61 120.69,75.61 116.84,71.75
COL6: length 257.7
  Top w0.2: SW55.2 140.65,43.18 SW40.2 135.89,57.47 135.89,71.75 126.37,81.28 126.37,90.81
  Bottom w0.2: 135.89,71.75 139.34,75.2 251.62,75.2 253.02,73.8 281.25,73.8 292.8,85.35 299.72,85.35 305.25,79.83 305.25,71.17 U1.9
COL7: length 237.5
  Top w0.2: SW56.2 159.7,43.18 SW41.2 154.94,57.47 154.94,71.75 145.42,81.28 SW8.2
  Bottom w0.2: 154.94,71.75 157.99,74.81 251.45,74.81 252.86,73.4 281.42,73.4 292.97,84.95 299.56,84.95 304.85,79.66 304.85,71.34 U1.8
COL8: length 217.2
  Top w0.2: SW9.2 164.47,81.28 173.99,71.75 173.99,57.47 SW42.2 178.75,43.18 SW57.2
  Bottom w0.2: U1.7 304.45,71.51 304.45,79.5 299.39,84.55 293.14,84.55 281.59,73 252.69,73 251.29,74.41 176.64,74.41 173.99,71.75
COL9: length 217.1
  Top w0.2: SW70.2 207.33,16.99 SW58.2 197.8,43.18 SW43.2 193.04,57.47 193.04,71.75 183.52,81.28 SW10.2
  Bottom w0.2: 193.04,71.75 195.29,74 251.12,74 252.53,72.6 281.75,72.6 293.3,84.15 299.23,84.15 304.05,79.33 304.05,71.67 U1.6
COL10: length 217.1
  Top w0.2: SW11.2 202.57,81.28 212.09,71.75 212.09,57.47 SW44.2 216.85,43.18 SW59.2 226.38,16.99 SW72.2 232.52,10.84 232.52,9.02 227.95,4.44 SW71.2
  Bottom w0.2: U1.5 303.65,71.84 303.65,79.17 299.06,83.75 293.47,83.75 281.92,72.2 252.36,72.2 250.96,73.61 213.94,73.61 212.09,71.75
COL11: length 159.5
  Top w0.2: SW60.2 239.67,46.56 239.67,48.94 SW45.2 231.14,57.47 231.14,71.75 221.49,81.41 221.49,90.68
  Bottom w0.2: U1.4 303.25,72 303.25,79 298.9,83.35 293.63,83.35 282.08,71.8 252.2,71.8 250.79,73.2 232.59,73.2 231.14,71.75
COL12: length 152.1
  Top w0.2: 250.19,71.75 250.19,81.28 SW13.2 ; 259.72,14.61 259.72,43.67 250.11,53.27 250.11,71.68
  Bottom w0.2: 250.54,71.4 282.25,71.4 293.8,82.95 298.73,82.95 302.85,78.83 302.85,72.17 U1.3
COL13: length 150.5
  Top w0.2: SW47.2 270.26,56.1 270.26,57.73 274.76,62.23 SW31.2 ; SW47.2 278.77,40.8 278.77,14.61 ; SW47.2 SW46.2 ; 259.72,90.81 259.72,85.9 275.27,70.34 SW30.1
  Bottom w0.2: 275.27,63.34 SW31.2 ; U1.2 302.45,72.33 302.45,78.67 298.56,82.55 293.96,82.55 283.14,71.72 283.14,67.49 277.88,62.23 277.26,62.23
COL14: length 162
  Top w0.2: SW75.2 318.1,34.89 318.1,53.3 SW48.S1 308.86,62.54 308.86,77.1 311.75,79.98 314.93,79.98 316.8,81.85 SW32.S1
  Bottom w0.2: v1(308.86,68.83) 308.61,68.83 305.6,65.83 305.6,65.34 304.86,64.6 303.9,64.6 U1.18 ; SW15.2 274.46,90.81 280.04,85.23 280.04,83.19 280.04,86.19 287.85,94 315.5,94 SW32.S1
D+: length 43.2
  Bottom w0.2: R4.1 293.48,71.66 291.49,73.65 289.53,73.65 283.54,67.66 283.54,67.32 277,60.78 275.71,60.78 272.21,64.27 262.41,64.27 J2.3
D-: length 42.5
  Bottom w0.2: J2.2 260.1,65.95 262.22,63.82 272.03,63.82 275.52,60.33 277.11,60.33 283.94,67.15 283.94,67.49 289.65,73.2 290.29,73.2 290.29,73.2 291.3,73.2 293.16,71.34 R5.1
QSPI_SCLK: length 10.5
  Bottom w0.2: U1.52 297.42,70.52 297.42,71.8 295.17,74.05 292.49,74.05 292.23,74.31 292.23,75.06 293.09,75.92
QSPI_SD0: length 7.8
  Bottom w0.2: U1.53 297.82,70.68 297.82,71.97 295.14,74.65 U4.5
QSPI_SD1: length 9.1
  Bottom w0.2: U1.55 298.62,71.01 298.62,72.66 300.01,74.05 301.36,74.05 301.63,74.31 301.63,76.26 300.69,77.19
QSPI_SD2: length 6.7
  Bottom w0.2: 300.36,75.92 300.29,75.92 298.22,73.85 298.22,70.85 U1.54
QSPI_SD3: length 12.3
  Bottom w0.2: 293.16,77.19 291.83,75.86 291.83,74.15 292.32,73.65 295,73.65 297.02,71.63 297.02,70.35 U1.51
QSPI_SS: length 14.2
  Bottom w0.2: U4.1 299.62,78.46 R7.2 R8.1 ; 300.69,78.46 302.03,77.13 302.03,74.15 301.53,73.65 300.17,73.65 299.02,72.5 299.02,71.18 U1.56
RESET: length 13.9
  Bottom w0.2: U1.26 301.52,62.45 301.52,61.65 299.89,60.02 299.89,59.45 298.49,58.05 298.49,56.43 ; J3.3 298.48,53.83 R3.1 298.81,52.62 298.04,51.85 SW76.2
ROW0: length 328.7
  Bottom w0.2: U1.17 304.07,65 304.69,65 305.2,65.51 305.2,65.99 308.43,69.22 308.43,71.97 308.05,72.35 308.05,81 300.9,88.15 291.64,88.15 284.51,81.01 277.13,81.01 272.72,76.6 270.49,76.6 D15.1 D14.1 D13.1 D12.1 D11.1 D10.1 D9.1 D8.1 D7.1 D6.1 D5.1 D4.1 D3.1 D2.1 D1.1
ROW1: length 320.6
  Top w0.2: v1(296.27,64.14) 296.18,64.22 296.18,67.38 311.14,82.35 v1(312.78,82.35)
  Bottom w0.2: D32.1 312.78,82.32 v1(312.78,82.35) ; 296.48,64.1 296.14,63.77 295.85,63.77 284.4,52.31 273.35,52.31 D31.1 271.06,53.12 261.54,62.64 D29.1 D28.1 D27.1 D26.1 D25.1 D24.1 D23.1 D22.1 D21.1 D20.1 D19.1 D18.1 D17.1 ; 296.48,64.1 U1.37 ; 296.48,64.1 296.44,64.14 v1(296.27,64.14)
ROW2: length 348.4
  Top w0.2: v1(284.71,45.87) 286.33,44.25 v1(312.83,44.25)
  Bottom w0.2: 313.4,43.67 v1(312.83,44.25) ; U1.36 296.31,63.37 296.02,63.37 284.89,52.24 284.89,46.05 284.85,46.01 ; D46.1 251.8,42.9 281.74,42.9 284.85,46.01 ; D46.1 D44.1 D43.1 D42.1 D41.1 D40.1 D39.1 D38.1 D37.1 D36.1 D35.1 D33.1 ; D46.1 D45.1 ; v1(284.71,45.87) 284.85,46.01
ROW3: length 304.8
  Bottom w0.2: U1.35 296.47,62.97 296.19,62.97 285.29,52.07 285.29,34.32 275.51,24.54 D61.1 249.28,24.54 ; 249.28,24.54 D60.1 ; 249.28,24.54 D59.1 D58.1 D57.1 D56.1 D55.1 D54.1 D53.1 D52.1 D51.1 D50.1 D49.1
ROW4: length 349.1
  Bottom w0.2: D62.1 10.55,5.92 12.33,5.92 12.75,5.49 D64.1 34.36,5.92 36.14,5.92 36.56,5.49 D66.1 58.18,5.92 59.95,5.92 60.37,5.49 D68.1 130.09,5.92 140.91,5.92 141.34,5.49 D70.1 201.53,5.92 226.66,5.92 227.09,5.49 D72.1 D73.1 D74.1 285.7,5.49 ; 285.7,5.49 285.7,51.92 296.35,62.57 296.64,62.57 U1.34 ; 285.7,5.49 D75.1
SW32A: length 54
  Bottom w0.2: SW32.A 311.15,77.55 311.15,61.19 298.71,48.75 297.32,48.75 293.39,52.69 293.39,55.39 298.44,60.44 298.44,61.54 U1.29
SW32B: length 57.5
  Bottom w0.2: SW32.B 311.55,72.95 311.55,61.03 298.88,48.35 297.16,48.35 292.97,52.54 292.97,55.54 298.04,60.61 298.04,61.71 U1.30
SW48A: length 38.8
  Bottom w0.2: SW48.A 311.8,41.03 305.28,47.55 296.83,47.55 292.17,52.21 292.17,55.87 296.91,60.62 296.92,60.62 297.24,60.94 297.24,62.04 U1.32
SW48B: length 42.4
  Bottom w0.2: SW48.B 315.5,41.4 312,41.4 305.45,47.95 296.99,47.95 292.57,52.37 292.57,55.7 297.64,60.77 297.64,61.87 U1.31
SWCLK: length 3.6
  Bottom w0.2: 302.32,60.26 302.32,62.78 U1.24
SWD: length 5.9
  Bottom w0.2: 300.29,58.22 300.29,59.85 301.92,61.49 301.92,62.62 U1.25
XIN: length 6.5
  Bottom w0.2: U1.20 303.57,63.8 305.2,63.8 306.16,64.75 C10.2
XOUT: length 4.1
  Bottom w0.2: 305.53,61.83 303.96,63.4 303.41,63.4 U1.21
Net-(C11-Pad2): length 2.7
  Bottom w0.2: C11.2 308.52,60.95 R6.1
Net-(D1-A): length 4.1
  Bottom w0.2: D1.2 5.89,88.09
Net-(D2-A): length 4.1
  Bottom w0.2: D2.2 24.94,88.09
Net-(D3-A): length 4.1
  Bottom w0.2: D3.2 43.99,88.09
Net-(D4-A): length 4.1
  Bottom w0.2: D4.2 63.04,88.09
Net-(D5-A): length 4.1
  Bottom w0.2: D5.2 82.09,88.09
Net-(D6-A): length 4.1
  Bottom w0.2: D6.2 101.14,88.09
Net-(D7-A): length 4.1
  Bottom w0.2: D7.2 120.19,88.09
Net-(D8-A): length 4.1
  Bottom w0.2: D8.2 139.24,88.09
Net-(D9-A): length 4.1
  Bottom w0.2: D9.2 158.29,88.09
Net-(D10-A): length 4.1
  Bottom w0.2: D10.2 177.34,88.09
Net-(D11-A): length 4.1
  Bottom w0.2: D11.2 196.39,88.09
Net-(D12-A): length 4.1
  Bottom w0.2: D12.2 215.44,88.09
Net-(D13-A): length 4.1
  Bottom w0.2: D13.2 234.49,88.09
Net-(D14-A): length 4.1
  Bottom w0.2: D14.2 253.54,88.09
Net-(D15-A): length 15.8
  Bottom w0.2: SW16.2 268.47,80.64 265.08,84.03 D15.2 263.49,84.45 263.49,87.67
Net-(D17-A): length 4.1
  Bottom w0.2: D17.2 10.65,69.04
Net-(D18-A): length 4.1
  Bottom w0.2: D18.2 34.46,69.04
Net-(D19-A): length 4.1
  Bottom w0.2: D19.2 53.51,69.04
Net-(D20-A): length 4.1
  Bottom w0.2: D20.2 72.56,69.04
Net-(D21-A): length 4.1
  Bottom w0.2: D21.2 91.61,69.04
Net-(D22-A): length 4.1
  Bottom w0.2: D22.2 110.66,69.04
Net-(D23-A): length 4.1
  Bottom w0.2: D23.2 129.71,69.04
Net-(D24-A): length 4.1
  Bottom w0.2: D24.2 148.76,69.04
Net-(D25-A): length 4.1
  Bottom w0.2: D25.2 167.81,69.04
Net-(D26-A): length 4.1
  Bottom w0.2: D26.2 186.86,69.04
Net-(D27-A): length 4.1
  Bottom w0.2: D27.2 205.91,69.04
Net-(D28-A): length 4.1
  Bottom w0.2: D28.2 224.96,69.04
Net-(D29-A): length 4.1
  Bottom w0.2: D29.2 244.01,69.04
Net-(D30-A): length 4.1
  Bottom w0.2: SW31.1 270.03,55.63
Net-(D32-A): length 9
  Bottom w0.2: D32.2 311.8,84.76 SW32.S2
Net-(D33-A): length 8.8
  Bottom w0.2: D33.2 8.27,49.99
  Bottom w0.25: SW33.1 SW34.1
Net-(D35-A): length 4.1
  Bottom w0.2: D35.2 39.23,49.99
Net-(D36-A): length 4.1
  Bottom w0.2: D36.2 58.28,49.99
Net-(D37-A): length 4.1
  Bottom w0.2: D37.2 77.33,49.99
Net-(D38-A): length 4.1
  Bottom w0.2: D38.2 96.38,49.99
Net-(D39-A): length 4.1
  Bottom w0.2: D39.2 115.43,49.99
Net-(D40-A): length 4.1
  Bottom w0.2: D40.2 134.48,49.99
Net-(D41-A): length 4.1
  Bottom w0.2: D41.2 153.53,49.99
Net-(D42-A): length 4.1
  Bottom w0.2: D42.2 172.58,49.99
Net-(D43-A): length 4.1
  Bottom w0.2: D43.2 191.63,49.99
Net-(D44-A): length 4.1
  Bottom w0.2: D44.2 210.68,49.99
Net-(D45-A): length 4.1
  Bottom w0.2: D45.2 229.73,49.99
Net-(D46-A): length 16
  Bottom w0.2: D46.2 248.78,49.99 ; SW46.1 SW47.1
Net-(D48-A): length 9
  Bottom w0.2: D48.2 311.8,46.66 SW48.S2
Net-(D49-A): length 4.1
  Bottom w0.2: D49.2 17.8,30.94
Net-(D50-A): length 4.1
  Bottom w0.2: D50.2 48.75,30.94
Net-(D51-A): length 4.1
  Bottom w0.2: D51.2 67.8,30.94
Net-(D52-A): length 4.1
  Bottom w0.2: D52.2 86.85,30.94
Net-(D53-A): length 4.1
  Bottom w0.2: D53.2 105.9,30.94
Net-(D54-A): length 4.1
  Bottom w0.2: D54.2 124.95,30.94
Net-(D55-A): length 4.1
  Bottom w0.2: D55.2 144,30.94
Net-(D56-A): length 4.1
  Bottom w0.2: D56.2 163.05,30.94
Net-(D57-A): length 4.1
  Bottom w0.2: D57.2 182.1,30.94
Net-(D58-A): length 4.1
  Bottom w0.2: D58.2 201.15,30.94
Net-(D59-A): length 4.1
  Bottom w0.2: D59.2 220.2,30.94
Net-(D60-A): length 4.1
  Bottom w0.2: D60.2 246.4,30.94
Net-(D61-A): length 4.1
  Bottom w0.2: D61.2 272.59,30.94
Net-(D62-A): length 18.1
  Bottom w0.2: SW62.1 6.47,12.06 5.6,11.2 5.6,9.02 6.79,7.83 D62.2 10.29,7.83 10.94,7.18 17.9,7.18
Net-(D64-A): length 18.1
  Bottom w0.2: SW64.1 30.28,12.06 29.41,11.2 29.41,9.02 30.6,7.83 D64.2 34.1,7.83 34.75,7.18 41.71,7.18
Net-(D66-A): length 18.1
  Bottom w0.2: 65.53,7.18 58.56,7.18 57.91,7.83 D66.2 54.42,7.83 53.23,9.02 53.23,11.2 54.09,12.06 SW66.1
Net-(D68-A): length 23.8
  Bottom w0.2: 127.33,11.89 D68.2 128.17,6.98 SW69.1
Net-(D70-A): length 4.1
  Bottom w0.2: D70.2 198.77,11.89
Net-(D71-A): length 19.5
  Bottom w0.2: SW72.1 221.09,10.75 218.25,10.75 217.53,10.03 217.53,9.02 218.25,8.3 221.75,8.3 222.87,7.18 227.19,7.18 ; D72.2 228.49,7.83 SW71.1
Net-(D73-A): length 4.1
  Bottom w0.2: D73.2 253.54,11.89
Net-(D74-A): length 4.1
  Bottom w0.2: D74.2 272.59,11.89
Net-(D75-A): length 4.1
  Bottom w0.2: D75.2 291.64,11.89
Net-(R7-Pad1): length 1.3
  Bottom w0.2: R7.1 295.9,79.88
Net-(R8-Pad2): length 2.8
  Bottom w0.2: 298.28,81.93 297.28,80.93 ; 298.18,81.89 R8.2
Net-(U1-USB_DM): length 7
  Bottom w0.2: 293.99,70.56 U1.46 294.21,70.33 R5.2
Net-(U1-USB_DP): length 7
  Bottom w0.2: 294.26,70.84 U1.47 294.49,70.62 R4.2

## Copper pours and planes (outline as drawn; the poured copper is in the pictures)
GND on Top, Bottom: -37.59,127.51 -42.67,129.79 345.69,120.9 365.25,-37.59 -88.9,-35.56
